# KiCad board PowerBox.kicad_pcb
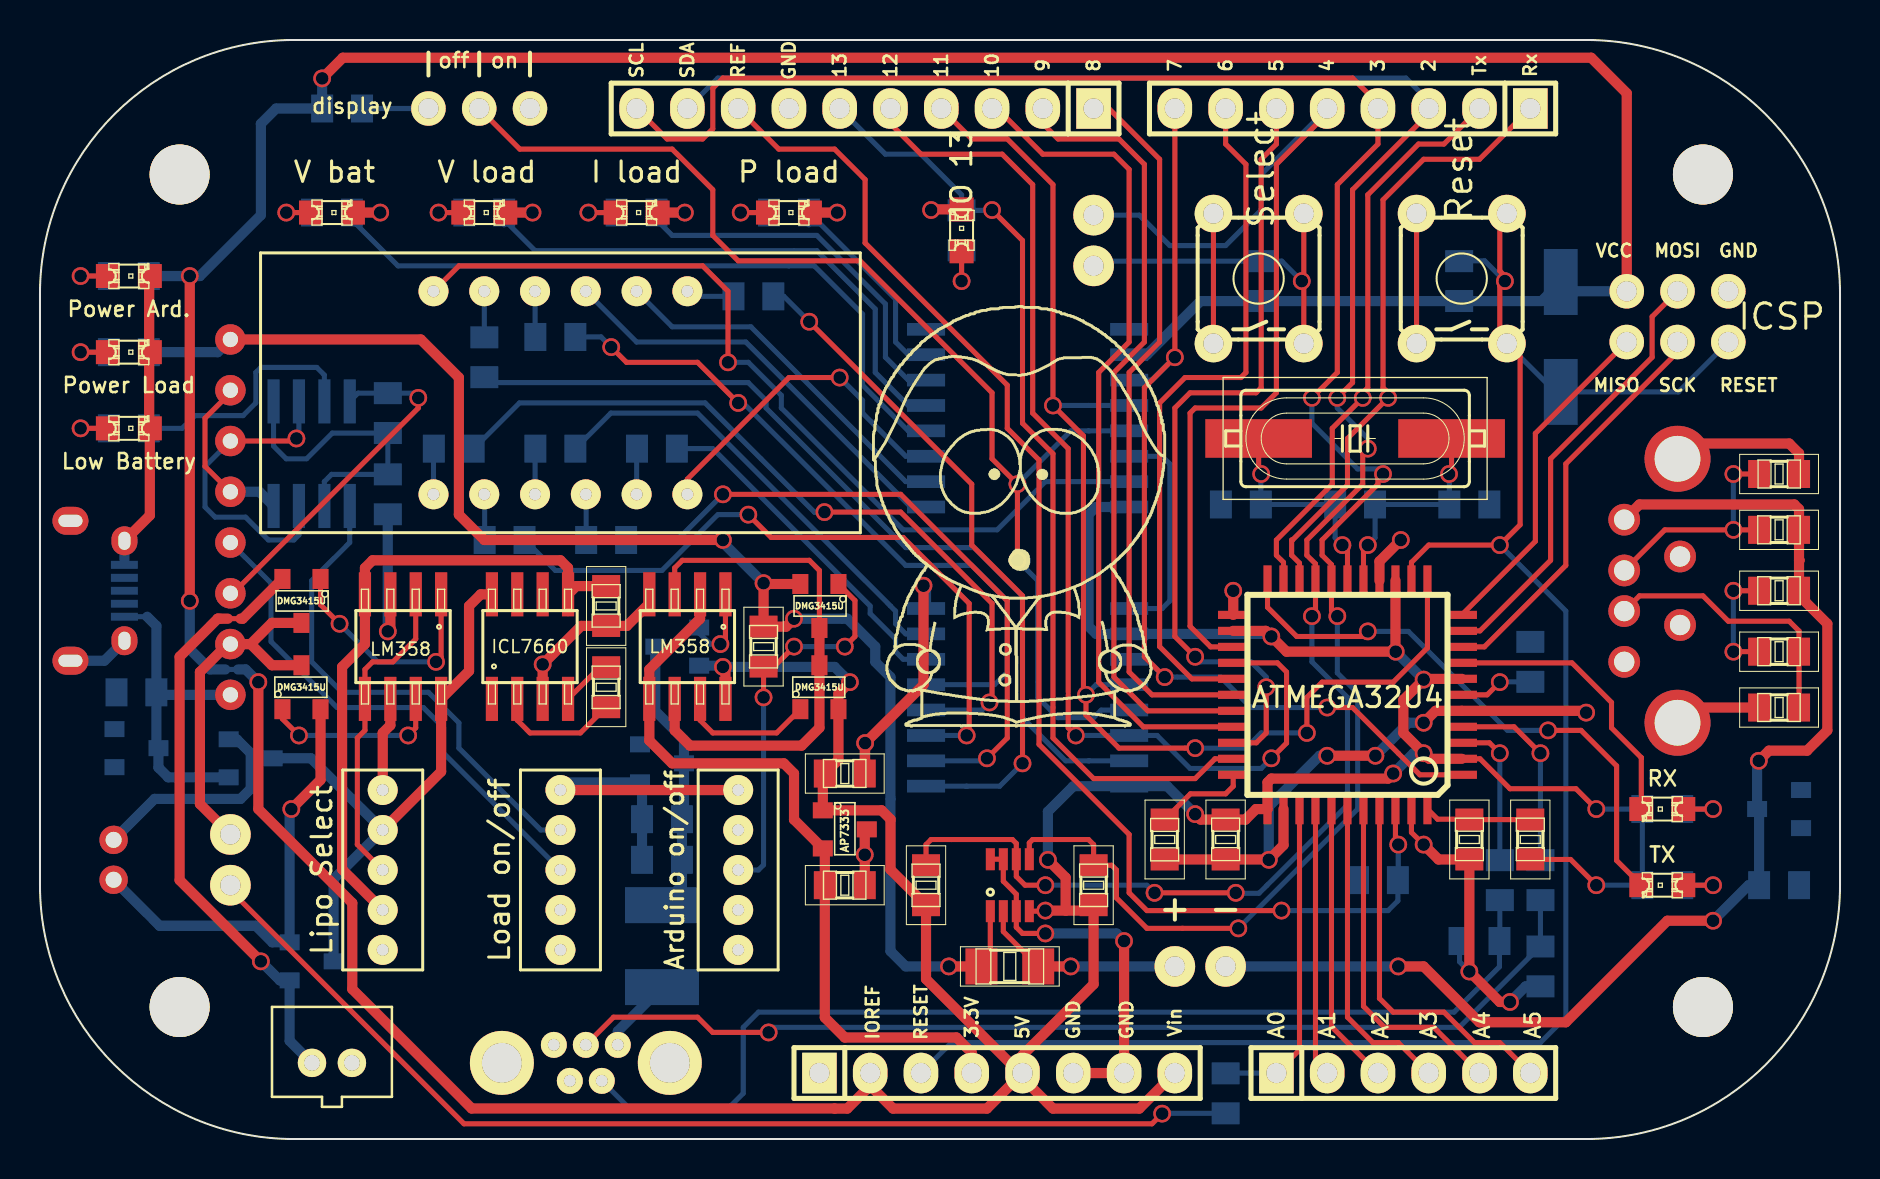
[diagram p0: board, top side]
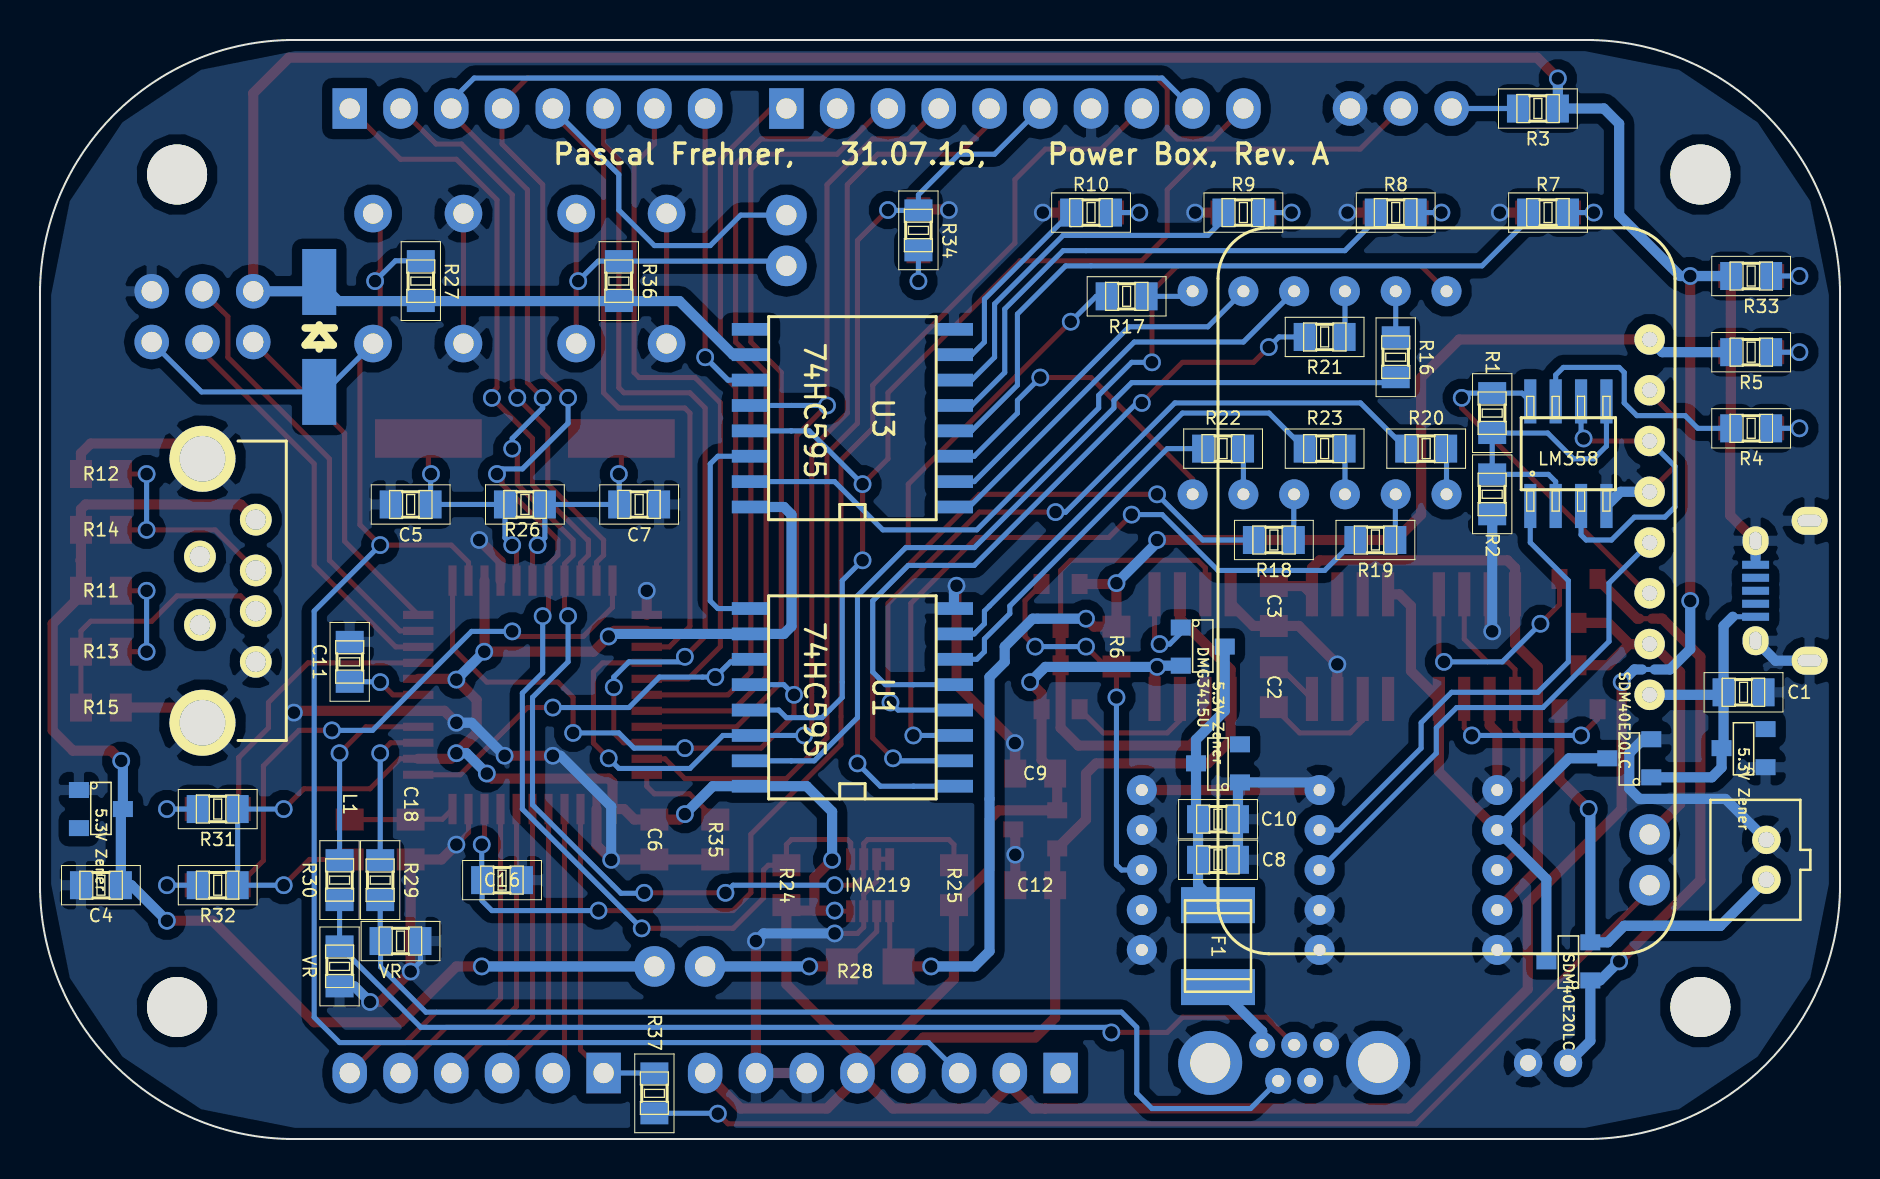
[diagram p1: board, bottom side, seen from below]

Outline 90.04 x 54.99 mm; copper layers: Top, Bottom. Coordinates in mm from the lower left corner of the outline.
Outline path: 0,42.29 0,12.7 arc(3.72,3.72) 12.7,0 77.34,0 arc(86.32,3.72) 90.04,12.7 90.04,42.29 arc(86.32,51.27) 77.34,54.99 12.7,54.99 arc(3.72,51.27) 0,42.29

## Placement (name value [footprint] x y rotation side)
C1  10uF  [C0805]  4.83 22.35 180 bottom
C2  10uF  [C0805]  28.32 22.61 90 top
C3  10uF  [C0805]  28.32 26.67 270 top
C4  10uF  [C0805]  87 12.7 0 bottom
C5  18pF  [C0805]  71.5 31.75 0 bottom
C6  100NF  [C0805]  59.31 14.99 270 top
C7  18pF  [C0805]  60.07 31.75 180 bottom
C8  100nF  [C0805]  31.12 13.97 180 bottom
C9  1uF  [C0805]  40.26 18.29 0 top
C10  10uF  [C0805]  31.12 16 180 bottom
C11  1uF  [C0805]  74.55 23.88 90 bottom
C12  1uF  [C0805]  40.26 12.7 0 top
C16  100nF  [C0805]  66.93 12.95 180 bottom
C18  1uF  [C0805]  71.5 14.99 270 top
CON1  USB-MICRO  [USB_Micro]  1.52 27.43 90 bottom
CON2  -  [USB-A-Jack]  81.91 27.43 0 bottom
CON3  USB-MINI-B-Vert  [Vertical_USB_Mini_B]  27.3 3.81 90 top
D1  Low Battery  [LED-0805]  4.44 35.56 0 top
D2  5.3V Zener  [SOT23]  4.83 19.56 90 bottom
D3  SDM40E20LC  [SOT23#2]  10.54 19.05 90 bottom
D4  SDM40E20LC  [SOT23#2]  13.59 8.89 90 bottom
D5  Power Load  [LED-0805]  4.44 39.37 0 top
D6  V bat  [LED-0805]  14.61 46.36 0 top
D7  V load  [LED-0805]  22.22 46.36 0 top
D8  I load  [LED-0805]  29.84 46.36 0 top
D9  P load  [LED-0805]  37.47 46.36 0 top
D10  5.3V Zener  [SOT23]  87 16.51 270 bottom
D11  DL4148  [Diode-MiniMELF_Handsoldering]  76.07 40.13 90 bottom
D12  5.3V Zener  [SOT23]  31.12 18.8 90 bottom
D13  RX  [LED-0805]  81.15 16.51 180 top
D14  TX  [LED-0805]  81.15 12.7 180 top
D15  Power Ard.  [LED-0805]  4.44 43.18 0 top
D16  IO 13  [LED-0805]  46.1 45.47 90 top
F1  FUSE  [C1812]  31.12 9.65 270 bottom
IC1  LM358  [SOIC8]  13.59 34.29 180 bottom
IC2  LM358  [SOIC8]  18.16 24.64 180 top
IC3  LM358  [SOIC8]  32.38 24.64 180 top
JP1  JUMPER3  [Pin_Proto_Straight_1x03]  21.97 51.56 180 top
JP2  + -  [Pin_Proto_Straight_1x02]  58.04 8.64 0 top
JP4  JUMPER  [Pin_Proto_Straight_1x02]  9.53 13.97 90 top
JP5  JUMPER  [Pin_Proto_Straight_1x02]  52.71 44.96 270 top
L1  Ferrit bead  [R0805]  74.55 14.99 270 top
LOGO3  -  [LOGO3]  39.75 42.93 0 top
P1  CONN_2  [JST-PH-2-THM]  14.61 3.81 0 top
P2  CONN_2  [JST-PH-2-THM]  3.68 13.97 90 bottom
P3  CONN_1  [MountingHole_3mm]  6.98 48.26 0 top
P4  CONN_1  [MountingHole_3mm]  6.98 6.6 0 top
P5  CONN_1  [MountingHole_3mm]  83.19 48.26 0 top
P6  CONN_1  [MountingHole_3mm]  83.19 6.6 0 top
P7  ICSP  [Pin_Proto_Straight_2x03]  81.91 41.15 0 top
P11  CONN_10  [Pin_Header_Straight_1x10]  41.28 51.56 180 top
P12  CONN_8  [Pin_Header_Straight_1x08]  65.66 51.56 180 top
P13  CONN_8  [Pin_Header_Straight_1x08]  47.88 3.3 0 top
P14  CONN_6  [Pin_Header_Straight_1x06]  68.2 3.3 0 top
PB1  PowerBoost  [Powerboost1000C]  19.69 27.43 90 bottom
Q1  DMG3415U  [SOT23]  13.08 26.92 180 top
Q2  DMG3415U  [SOT23]  13.08 22.61 0 top
Q3  DMG3415U  [SOT23]  38.99 26.67 180 top
Q4  DMG3415U  [SOT23]  31.88 24.64 270 bottom
Q5  DMG3415U  [SOT23]  38.99 22.61 0 top
R1  10K  [R0805]  17.4 36.32 90 bottom
R2  10K  [R0805]  17.4 32.26 90 bottom
R3  10K  [R0805]  15.11 51.56 0 bottom
R4  220R  [R0805]  4.44 35.56 0 bottom
R5  220R  [R0805]  4.44 39.37 0 bottom
R6  10K  [R0805]  36.19 24.64 90 top
R7  220R  [R0805]  14.61 46.36 180 bottom
R8  220R  [R0805]  22.22 46.36 180 bottom
R9  220R  [R0805]  29.84 46.36 180 bottom
R10  220R  [R0805]  37.47 46.36 180 bottom
R11  300R 1%  [R0805]  87 27.43 0 top
R12  49.9K 1%  [R0805]  87 33.27 180 top
R13  78.7K 1%  [R0805]  87 24.38 0 top
R14  43K 1%  [R0805]  87 30.48 0 top
R15  49.9K 1%  [R0805]  87 21.59 0 top
R16  220R  [R0805]  22.22 39.12 270 bottom
R17  220R  [R0805]  35.69 42.16 0 bottom
R18  220R  [R0805]  28.32 29.97 0 bottom
R19  220R  [R0805]  23.24 29.97 0 bottom
R20  220R  [R0805]  20.7 34.54 0 bottom
R21  220R  [R0805]  25.78 40.13 0 bottom
R22  220R  [R0805]  30.86 34.54 0 bottom
R23  220R  [R0805]  25.78 34.54 0 bottom
R24  10K  [R0805]  52.71 12.7 90 top
R25  10K  [R0805]  44.32 12.7 90 top
R26  1M  [R0805]  65.79 31.75 0 bottom
R27  10K  [R0805]  70.99 42.93 90 bottom
R28  0.1R 1%  [R1206]  48.51 8.64 0 top
R29  22R  [R0805]  73.03 12.95 90 bottom
R30  22R  [R0805]  75.06 12.95 270 bottom
R31  220R  [R0805]  81.15 16.51 180 bottom
R32  220R  [R0805]  81.15 12.7 180 bottom
R33  220R  [R0805]  4.44 43.18 0 bottom
R34  220R  [R0805]  46.1 45.47 90 bottom
R35  1K  [R0805]  56.26 14.99 90 top
R36  10K  [R0805]  61.09 42.93 90 bottom
R37  10K  [R0805]  59.31 2.29 270 bottom
S1  Lipo Select  [Switch_SPDT]  17.14 13.46 90 top
S2  Load on/off  [Switch_SPDT]  26.03 13.46 90 top
S3  Arduino on/off  [Switch_SPDT]  34.93 13.46 270 top
S4  Reset  [TACTILE-PTH]  71.12 43.05 90 top
S5  Select  [TACTILE-PTH]  60.96 43.05 90 top
SEG1  4_x_7Segment  [4digit7segment]  26.03 37.34 0 top
U1  74HC595  [SO-16-L]  49.4 22.1 90 bottom
U2  ICL7660  [SOIC8]  24.51 24.64 0 top
U3  74HC595  [SO-16-L]  49.4 36.07 90 bottom
U4  INA219  [SOT-23-8]  48.51 12.7 0 top
U5  AP7333  [SOT23]  40.26 15.49 270 top
U6  ATMEGA32U4  [TQFP44]  65.41 22.22 180 top
VR1  VR  [R0805]  75.06 8.64 270 bottom
VR2  VR  [R0805]  72.01 9.91 180 bottom
X1  16MHz  [HC49UP]  65.79 35.05 180 top

## Library data of the parts
D11 = -: Field4: A; Field5: K
P1 = -: Field4: -

## Footprints (pads in the part's own frame, mm; a bottom-side part is the same pattern mirrored in y, then rotated)
4digit7segment
  round 1.5 hole 0.6: 1(-6.35,-5.08) 2(-3.81,-5.08) 3(-1.27,-5.08) 4(1.27,-5.08) 5(3.81,-5.08) 6(6.35,-5.08) 7(6.35,5.08) 8(3.81,5.08) 9(1.27,5.08) 10(-1.27,5.08) 11(-3.81,5.08) 12(-6.35,5.08)
C0805
  rect 1.1x1.4 smd: 1(-0.998,0) 2(0.998,0)
C1812
  rect 1.801x3.701 smd: 1(2.05,0) 2(-2.05,0)
Diode-MiniMELF_Handsoldering
  rect 3.299x1.699 smd: 1(-2.751,0) 2(2.751,0)
HC49UP
  rect 5.334x1.93 smd: 1(-4.826,0) 2(4.826,0)
JST-PH-2-THM
  round 1.422 hole 0.798: 1(0.998,0) 2(-0.998,0)
LED-0805
  rect 1.199x1.199 smd: 1(-1.049,0) 2(1.049,0)
MountingHole_3mm
  round 3 hole 3: (0,0)
Pin_Header_Straight_1x06
  rect 1.727x2.032 hole 1.016: 1(-6.35,0)
  oval 1.727x2.032 hole 1.016: 2(-3.81,0) 3(-1.27,0) 4(1.27,0) 5(3.81,0) 6(6.35,0)
Pin_Header_Straight_1x08
  rect 1.727x2.032 hole 1.016: 1(-8.89,0)
  oval 1.727x2.032 hole 1.016: 2(-6.35,0) 3(-3.81,0) 4(-1.27,0) 5(1.27,0) 6(3.81,0) 7(6.35,0) 8(8.89,0)
Pin_Header_Straight_1x10
  rect 1.727x2.032 hole 1.016: 1(-11.43,0)
  oval 1.727x2.032 hole 1.016: 2(-8.89,0) 3(-6.35,0) 4(-3.81,0) 5(-1.27,0) 6(1.27,0) 7(3.81,0) 8(6.35,0) 9(8.89,0) 10(11.43,0)
Pin_Proto_Straight_1x02
  round 2.032 hole 1.016: 1(-1.27,0)
  oval 2.032x2.032 hole 1.016: 2(1.27,0)
Pin_Proto_Straight_1x03
  round 1.727 hole 1.016: 1(-2.54,0) 2(0,0) 3(2.54,0)
Pin_Proto_Straight_2x03
  round 1.727 hole 1.016: 1(-2.54,-1.27)
  oval 1.727x1.727 hole 1.016: 2(-2.54,1.27) 3(0,-1.27) 4(0,1.27) 5(2.54,-1.27) 6(2.54,1.27)
Powerboost1000C
  round 1.524 hole 0.762: 1(-5.207,-10.16) 2(-2.667,-10.16) 3(-0.127,-10.16) 4(2.413,-10.16) 5(4.953,-10.16) 6(7.493,-10.16) 7(10.033,-10.16) 8(12.573,-10.16)
R0805
  rect 1.1x1.4 smd: 1(-0.998,0) 2(0.998,0)
R1206
  rect 1.598x1.801 smd: 1(-1.42,0) 2(1.42,0)
SO-16-L
  rect 0.635x1.905 smd: 1(-4.445,-5.08) 2(-3.175,-5.08) 3(-1.905,-5.08) 4(-0.635,-5.08) 5(0.635,-5.08) 6(1.905,-5.08) 7(3.175,-5.08) 8(4.445,-5.08) 9(4.445,5.08) 10(3.175,5.08) 11(1.905,5.08) 12(0.635,5.08) 13(-0.635,5.08) 14(-1.905,5.08) 15(-3.175,5.08) 16(-4.445,5.08)
SOIC8
  rect 0.61x2.207 smd: 1(-1.905,-2.616) 2(-0.635,-2.616) 3(0.635,-2.616) 4(1.905,-2.616) 5(1.905,2.616) 6(0.635,2.616) 7(-0.635,2.616) 8(-1.905,2.616)
SOT23
  rect 0.8x1.001 smd: 1(-0.953,-1.1) 2(0.953,-1.1) 3(0,1.1)
SOT23#2
  rect 0.8x1.001 smd: 1(-0.953,-1.1) 2(0,1.1) 3(0.953,-1.1)
SOT-23-8
  rect 0.45x1.1 smd: 1(-0.975,-1.3) 2(-0.325,-1.3) 3(0.325,-1.3) 4(0.975,-1.3) 5(0.975,1.3) 6(0.325,1.3) 7(-0.325,1.3) 8(-0.975,1.3)
Switch_SPDT
  round 1.5 hole 0.6: 1(-2,0) 2(0,0) 3(2,0) 4(-4,0) 5(4,0)
TACTILE-PTH
  round 1.88 hole 1.016: 1(-3.251,2.261) 2(3.251,2.261) 3(-3.251,-2.261) 4(3.251,-2.261)
TQFP44
  rect 1.524x0.406 smd: 1(-5.715,4) 2(-5.715,3.2) 3(-5.715,2.4) 4(-5.715,1.6) 5(-5.715,0.8) 6(-5.715,0) 7(-5.715,-0.8) 8(-5.715,-1.6) 9(-5.715,-2.4) 10(-5.715,-3.2) 11(-5.715,-4) 23(5.715,-4) 24(5.715,-3.2) 25(5.715,-2.4) 26(5.715,-1.6) 27(5.715,-0.8) 28(5.715,0) 29(5.715,0.8) 30(5.715,1.6) 31(5.715,2.4) 32(5.715,3.2) 33(5.715,4)
  rect 0.406x1.524 smd: 12(-4,-5.715) 13(-3.2,-5.715) 14(-2.4,-5.715) 15(-1.6,-5.715) 16(-0.8,-5.715) 17(0,-5.715) 18(0.8,-5.715) 19(1.6,-5.715) 20(2.4,-5.715) 21(3.2,-5.715) 22(4,-5.715) 34(4,5.715) 35(3.2,5.715) 36(2.4,5.715) 37(1.6,5.715) 38(0.8,5.715) 39(0,5.715) 40(-0.8,5.715) 41(-1.6,5.715) 42(-2.4,5.715) 43(-3.2,5.715) 44(-4,5.715)
USB-A-Jack
  round 1.587 hole 1.016: 1(-2.667,-3.556) 2(-2.667,-1.016) 3(-2.667,1.016) 4(-2.667,3.556) 6(0.127,-1.714) 7(0.127,1.714)
  round 3.302 hole 2.286: 5(0,-6.604) 8(0,6.604)
USB_Micro
  rect 0.4x1.35 smd: 1(-1.3,2.7) 2(-0.65,2.7) 3(0,2.7) 4(0.65,2.7) 5(1.3,2.7)
  oval 1.45x1.3 hole 0.9x0.6: 6(-2.5,2.7) 7(2.5,2.7)
  oval 1.4x1.8 hole 0.6x1.2: 8(-3.5,0) 9(3.5,0)
Vertical_USB_Mini_B
  round 1.3 hole 0.6: 1(0.9,-1.6) 2(-0.9,-0.8) 3(0.9,0) 4(-0.9,0.8) 5(0.9,1.6)
  round 3.2 hole 2: 6(0,4.2) 7(0,-4.2)

## Nets
3V3: C12.1 IC3.2 IC3.5 P13.4 U5.2
/Arduino/VCC: IC3.3 IC3.6 Q3.3 Q5.3
/Arduino/Vin+: PB1.8 Q3.2 R5.2 R6.2 R28.1 U4.1
/Arduino/Vin-: JP2.1 R28.2 U4.2
GND: C1.2 C3.2 C4.2 C5.2 C6.2 C7.2 C8.2 C9.2 C10.2 C11.2 C12.2 C16.2 C18.2 CON1.5 CON1.6 CON1.7 CON1.8 CON1.9 CON2.4 CON2.5 CON2.8 CON3.5 CON3.6 CON3.7 D1.2 D2.1 D3.3 D5.2 D6.2 D7.2 D8.2 D9.2 D10.1 D12.1 D15.2 D16.2 IC1.4 IC2.3 IC2.6 IC3.4 JP1.1 P1.1 P2.1 P7.6 P11.7 P13.6 P13.7 PB1.5 PB1.7 R2.1 R12.1 R15.1 R35.1 S1.4 S1.5 S2.1 S2.4 S2.5 S3.1 S3.4 S3.5 S4.1 S4.2 S5.1 S5.2 U1.8 U2.3 U3.8 U4.3 U4.7 U4.8 U5.3 U6.5 U6.15 U6.23 U6.35 U6.43 VR1.2 VR2.2
A0: P14.1 R37.1 U6.36
A1: P14.2 U6.37
A2: P14.3 U6.38
A3: P14.4 U6.39
A4: P14.5 U6.40
A5: P14.6 U6.41
AREF: C16.1 P11.8 U6.42
Clock: P12.8 U1.11 U3.11 U6.1
D0/RX: P12.1 U6.20
D1/TX: P12.2 U6.21
D2/SDA: P11.9 P12.3 R25.2 U4.6 U6.19
D3/SCL: P11.10 P12.4 R24.2 U4.5 U6.18
D4: JP5.1 P12.5 U6.25
D5: P12.6 U6.31
D6: P12.7 U6.27
DIG1: SEG1.12 U3.15
DIG2: SEG1.9 U3.1
DIG3: SEG1.8 U3.2
DIG4: SEG1.6 U3.3
En: IC1.1 S2.3
Enable: PB1.4 S2.2
IO_8: P11.1 U6.28
IO_9: P11.2 U6.29
IO_10: P11.3 U6.30
IO_11: P11.4 U1.12 U3.12 U6.12
IO_12: P11.5 U1.14 U6.26
IO_13: P11.6 R34.2 U6.32
LBO: IC1.3 IC1.6 PB1.6
LipoSwitch: IC2.2 IC2.5 S1.2
MISO: P7.1 U6.11
MOSI: P7.4 U6.10
RESET: D11.1 P7.5 P13.3 R27.2 S4.3 S4.4 U6.13
RXLED: D13.2 U6.8
SCK: P7.3 U6.9
SEGA: R16.2 U1.15
SEGB: R17.2 U1.1
SEGC: R18.2 U1.2
SEGD: R19.2 U1.3
SEGDP: R23.2 U1.7
SEGE: R20.2 U1.4
SEGF: R21.2 U1.5
SEGG: R22.2 U1.6
TXLED: D14.2 U6.22
V+: D3.2 D4.2 IC2.8 S1.3 U2.8
V-: C3.1 IC2.4 S1.1 U2.5
V_BATT: JP4.2 PB1.2 Q1.3 Q2.3
V_MP: Q3.1 R6.1 S3.2
VREG_in: C6.1 C9.1 D11.2 IC3.8 L1.2 P7.2 P13.2 P13.5 P13.8 Q4.2 Q5.2 R3.1 R24.1 R25.1 R27.1 R31.2 R32.2 R33.2 R36.1 U1.10 U1.16 U3.10 U3.16 U4.4 U5.1 U6.2 U6.7 U6.14 U6.24 U6.34
VS: IC1.8 PB1.3 R1.2
VUSB: C8.1 C10.1 D12.3 F1.2 Q4.3
XTAL1: C7.1 R26.1 U6.17 X1.2
XTAL2: C5.1 R26.2 U6.16 X1.1
Net-(C1-Pad1): C1.1 CON1.1 D2.3 D3.1 PB1.1
Net-(C2-Pad1): C2.1 U2.2
Net-(C2-Pad2): C2.2 U2.4
Net-(C4-Pad1): C4.1 CON2.1 D10.3 JP2.2 R11.2 R14.2
Net-(C11-Pad1): C11.1 U6.6
Net-(C18-Pad1): C18.1 L1.1 U6.44
Net-(CON1-Pad2): CON1.2
Net-(CON1-Pad3): CON1.3
Net-(CON1-Pad4): CON1.4
Net-(CON2-Pad2): CON2.2 R12.2 R14.1
Net-(CON2-Pad3): CON2.3 R13.2 R15.2
Net-(CON2-Pad6): CON2.6
Net-(CON2-Pad7): CON2.7
Net-(CON3-Pad1): CON3.1 F1.1
Net-(CON3-Pad2): CON3.2 R29.1 VR2.1
Net-(CON3-Pad3): CON3.3 R30.2 VR1.1
Net-(CON3-Pad4): CON3.4
Net-(D1-Pad1): D1.1 R4.1
Net-(D2-Pad2): D2.2
Net-(D4-Pad1): D4.1 P1.2 Q1.2
Net-(D4-Pad3): D4.3 P2.2 Q2.2
Net-(D5-Pad1): D5.1 R5.1
Net-(D6-Pad1): D6.1 R7.2
Net-(D7-Pad1): D7.1 R8.2
Net-(D8-Pad1): D8.1 R9.2
Net-(D9-Pad1): D9.1 R10.2
Net-(D10-Pad2): D10.2
Net-(D12-Pad2): D12.2
Net-(D13-Pad1): D13.1 R31.1
Net-(D14-Pad1): D14.1 R32.1
Net-(D15-Pad1): D15.1 R33.1
Net-(D16-Pad1): D16.1 R34.1
Net-(IC1-Pad2): IC1.2 IC1.5 R1.1 R2.2
Net-(IC1-Pad7): IC1.7 R4.2
Net-(IC2-Pad1): IC2.1 Q1.1
Net-(IC2-Pad7): IC2.7 Q2.1
Net-(IC3-Pad1): IC3.1 Q4.1
Net-(IC3-Pad7): IC3.7 Q5.1
Net-(JP1-Pad2): JP1.2 U1.13 U3.13
Net-(JP1-Pad3): JP1.3 R3.2
Net-(JP4-Pad1): JP4.1 R37.2
Net-(JP5-Pad2): JP5.2 R36.2 S5.3 S5.4
Net-(P13-Pad1): P13.1
Net-(R7-Pad1): R7.1 U3.4
Net-(R8-Pad1): R8.1 U3.5
Net-(R9-Pad1): R9.1 U3.6
Net-(R10-Pad1): R10.1 U3.7
Net-(R11-Pad1): R11.1 R13.1
Net-(R16-Pad1): R16.1 SEG1.11
Net-(R17-Pad1): R17.1 SEG1.7
Net-(R18-Pad1): R18.1 SEG1.4
Net-(R19-Pad1): R19.1 SEG1.2
Net-(R20-Pad1): R20.1 SEG1.1
Net-(R21-Pad1): R21.1 SEG1.10
Net-(R22-Pad1): R22.1 SEG1.5
Net-(R23-Pad1): R23.1 SEG1.3
Net-(R29-Pad2): R29.2 U6.3
Net-(R30-Pad1): R30.1 U6.4
Net-(R35-Pad2): R35.2 U6.33
Net-(S3-Pad3): S3.3
Net-(U1-Pad9): U1.9 U3.14
Net-(U2-Pad6): U2.6
Net-(U2-Pad7): U2.7
Net-(U3-Pad9): U3.9

Pads without a net: U2 1

## Via types
v1: diameter 0.889, hole 0.635, Top to Bottom, 126 vias
